# Altium PCB MB1635.PcbDoc (part 6 of 10)
Units mm, origin at the board's own origin, x right, y up, seen from the top; angles counter-clockwise.
Board outline 127 x 97 mm, 6 copper layers (Top Layer, Signal Layer 1, Signal Layer 2, Signal Layer 3, Signal Layer 4, Bottom Layer), stack 1.557 mm thick; 593 components, 478 nets, 2435 pads, 1743 vias.
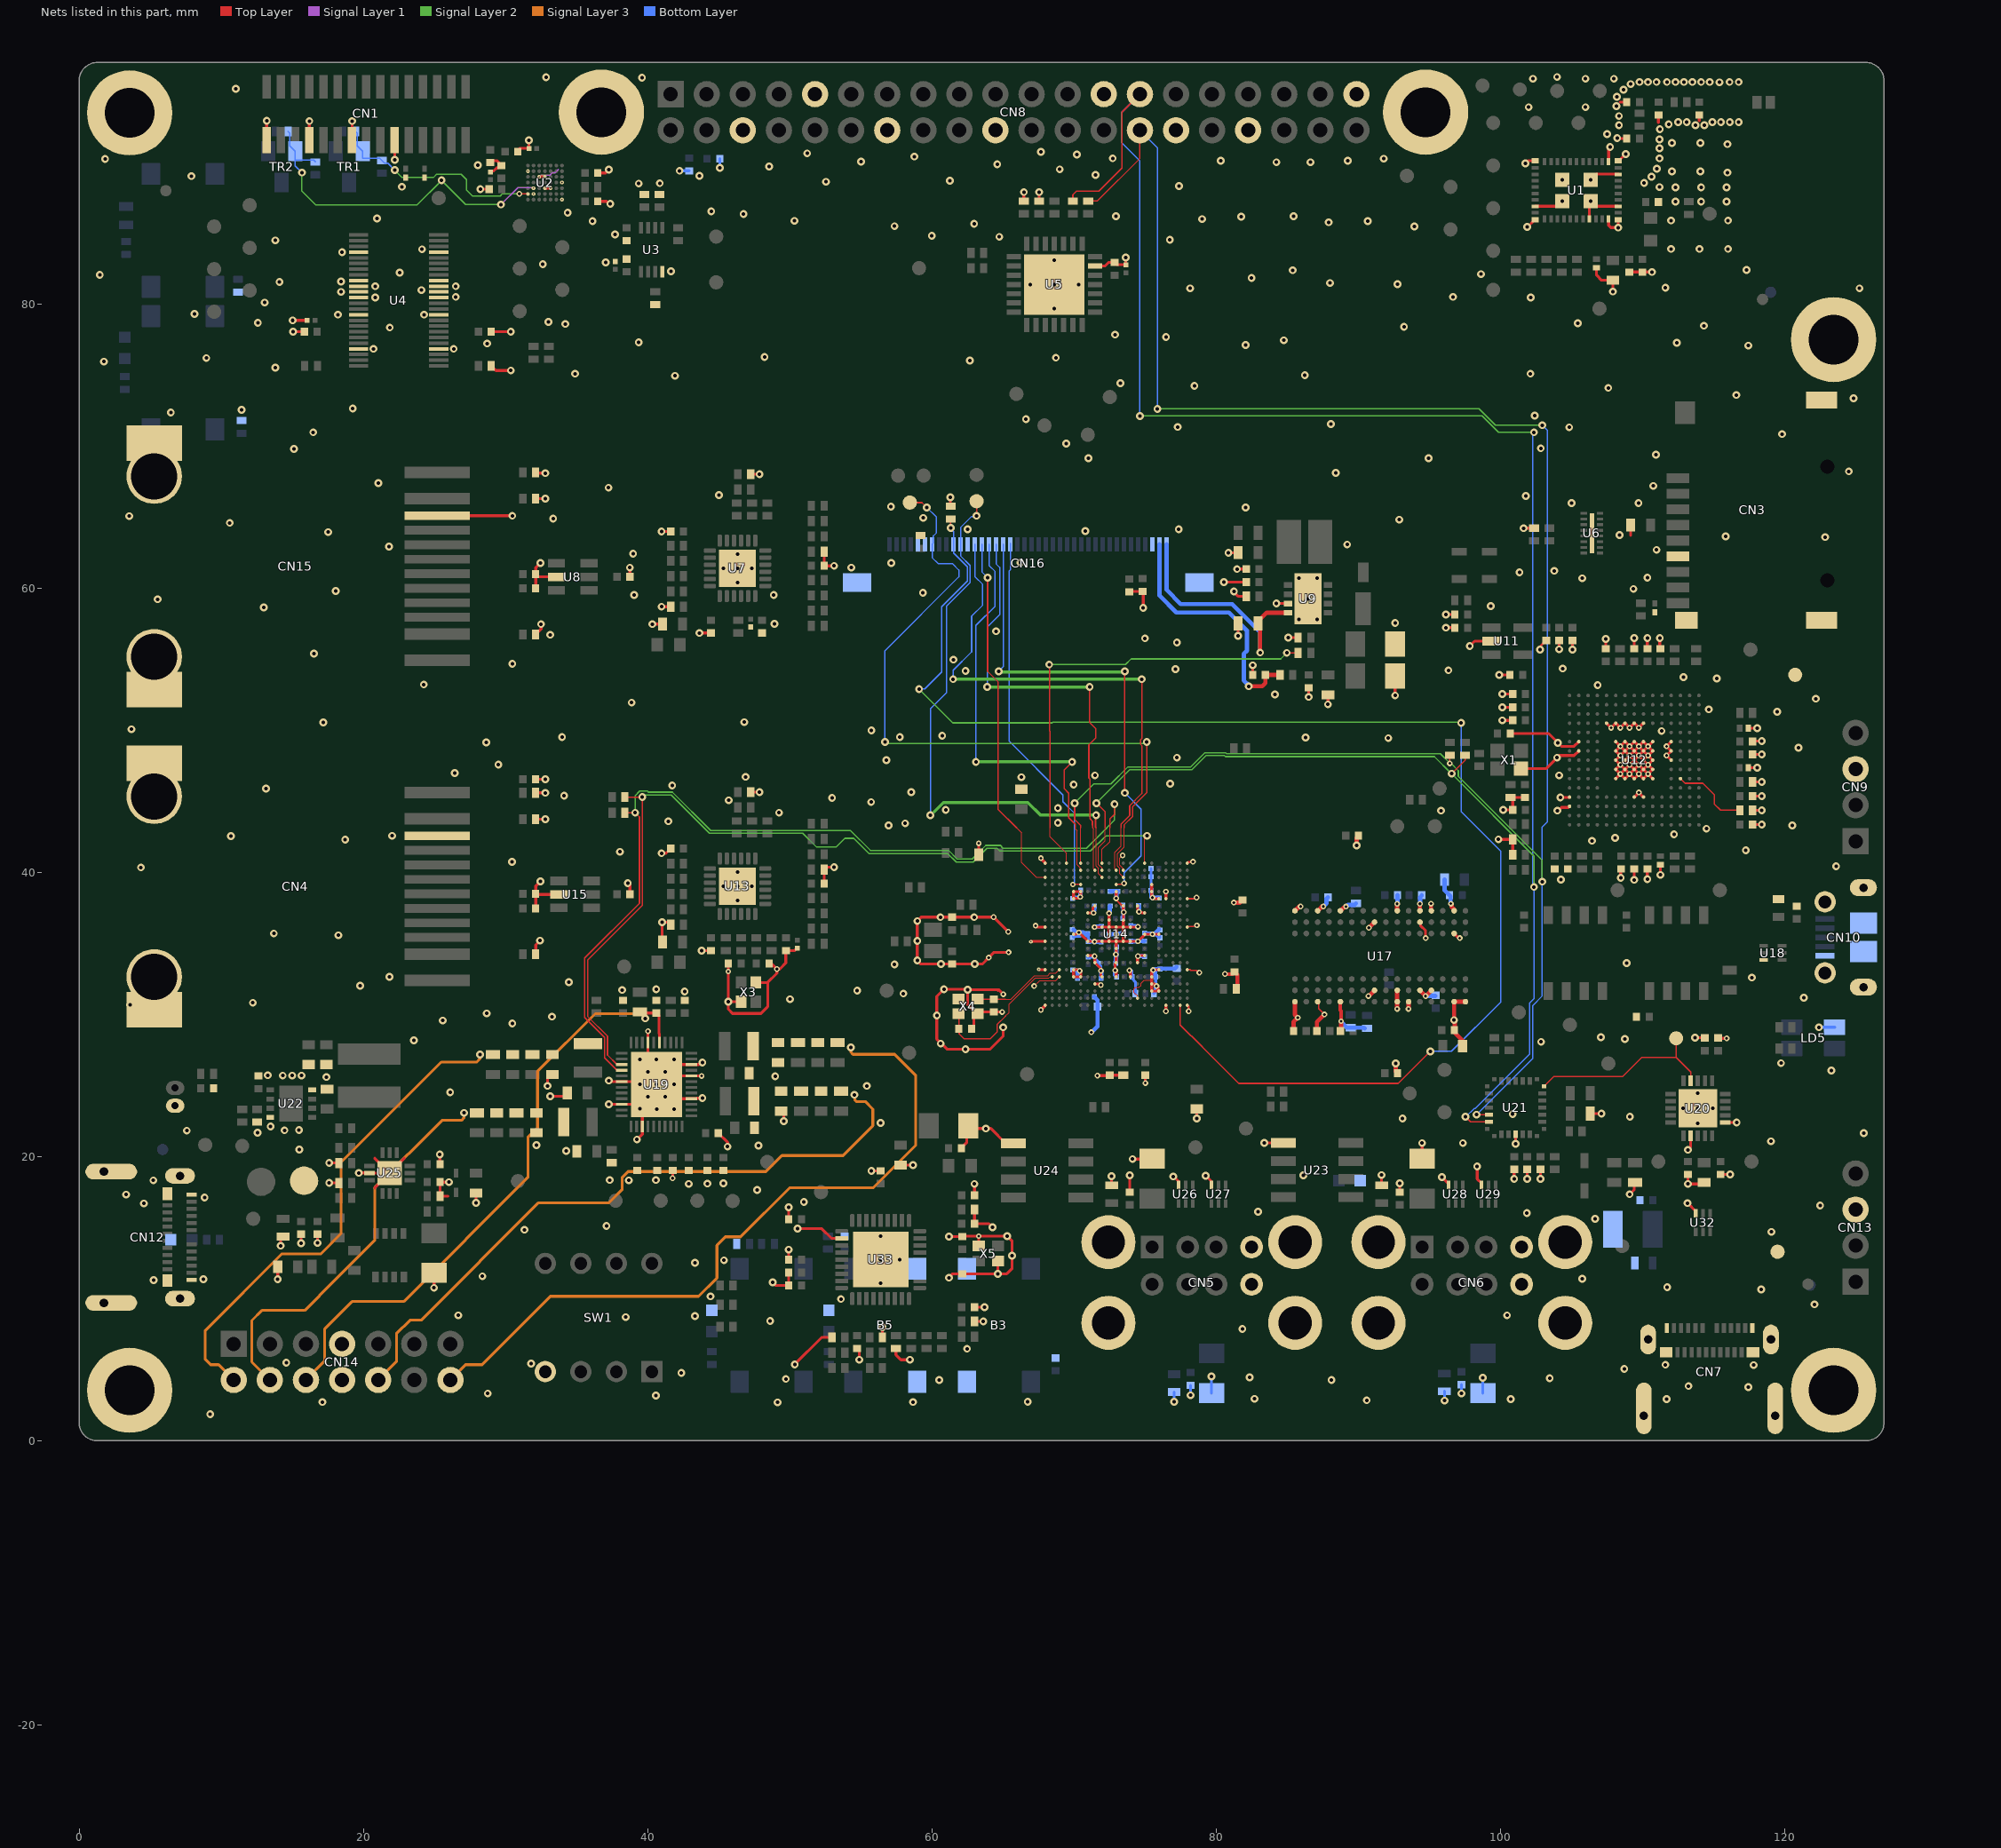
[diagram p10: the nets of this part, all layers, seen from the top]

## Via types
v1: diameter 0.55, hole 0.25, Top Layer to Bottom Layer, 1438 vias
v2: diameter 0.4, hole 0.2, Top Layer to Bottom Layer, 276 vias
v3: diameter 0.26, hole 0.1, Top Layer to Signal Layer 1, tented both sides, 29 vias

## Nets (pads, with @x,y where several pads share a name; then routed paths per layer and width w, separated by ;. In a path a pad name is that pad's centre, name@x,y a point inside that pad or via, vN(x,y) a via of type N, cw(c..) or ccw(c..) an arc to the next point about the centre after c; other vN are vias at no path point) (continued)
GND: B3.1 B3.2 B5.3 B5.4 C1.1 C2.1 C3.1 C4.1 C5.1 C6.1 C7.2 C8.1 C9.1 C10.1 C11.1 C12.1 C13.1 C14.1 C15.1 C16.1 C17.1 C18.1 C19.1 C20.1 C21.1 C22.1 C23.1 C24.1 C25.1 C26.1 C27.1 C28.1 C29.2 C30.1 C31.1 C32.1 C33.2 C34.1 C35.1 C36.2 C37.1 C38.1 C39.2 C40.1 C41.1 C42.1 C43.1 C44.1 C45.1 C46.1 C47.1 C48.1 C49.1 C50.2 C51.1 C52.1 C53.1 C54.1 C55.1 C56.1 C57.1 C58.1 C59.1 C60.1 C61.1 C62.1 C63.1 C64.1 C65.1 C66.1 C67.1 C68.1 C69.1 C70.1 C71.1 C72.1 C73.1 C74.1 C75.1 C76.1 C77.1 C78.1 C79.1 C80.1 C81.2 C82.1 C83.1 C84.1 C85.1 C88.2 C89.1 C90.1 C91.2 C92.1 C93.2 C94.1 C95.1 C96.1 C98.1 C99.2 C100.1 C101.1 C102.1 C103.2 C104.1 C105.1 C106.1 C107.2 C108.1 C109.1 C110.1 C112.1 C113.1 C114.1 C116.1 C117.1 C118.2 C119.1 C120.1 C121.1 C122.1 C123.1 C124.1 C125.1 C126.1 C129.1 C130.1 C131.1 C132.1 C133.1 C134.1 C135.1 C136.1 C137.1 C138.1 C139.1 C140.1 C141.1 C142.1 C143.1 C144.1 C145.1 C146.1 C147.1 C148.1 C149.1 C150.1 C151.1 C152.1 C153.1 C154.1 C155.2 C156.1 C157.1 C158.1 C159.1 C160.2 C161.1 C162.2 C163.1 C164.1 C165.1 C166.1 C168.1 C169.1 C170.1 C171.1 C172.1 C173.1 C174.1 C175.1 C176.1 C177.2 C178.1 C179.1 C180.2 C181.1 C182.1 C183.1 C184.1 C185.2 C186.1 C187.1 C188.1 C189.1 C190.1 C191.2 C192.1 C193.1 C194.1 C195.2 C196.1 C197.1 C198.1 C199.1 C200.1 C201.1 C202.1 C203.2 C204.2 C205.1 C206.1 C207.2 C208.1 C209.1 C210.2 C211.1 C212.1 C213.1 C214.2 C215.2 C216.2 C217.2 C218.1 C219.2 C220.1 C221.1 C222.1 C223.1 C224.1 C225.1 C226.1 C227.1 C228.1 C229.1 CN1.1 CN1.4 CN1.7 CN1.10 CN3.6 CN3.10 CN3.11 CN3.12 CN4.10 CN4.13 CN4.14 CN5.B4 CN5.CH1 CN5.CH2 CN5.CH3 CN5.CH4 CN5.T4 CN6.B4 CN6.CH1 CN6.CH2 CN6.CH3 CN6.CH4 CN6.T4 CN7.A1 CN7.A12 CN7.B1 CN7.B12 CN7.SH1 CN7.SH2 CN7.SH3 CN7.SH4 CN8.6 CN8.9 CN8.14 CN8.20 CN8.25 CN8.30 CN8.34 CN8.39 CN9.3 CN10.5 CN10.6 CN10.7 CN10.8 CN10.9 CN10.10 CN10.11 CN11.2 CN12.A1 CN12.A12 CN12.B1 CN12.B12 CN12.SH1 CN12.SH2 CN12.SH3 CN12.SH4 CN13.3 CN14.7 CN14.8 CN15.10 CN15.13 CN15.14 CN16.3 CN16.29 CN16.35 CN16.36 CN16.MT1 CN16.MT2 LD1.2 LD2.2 LD5.4 LD6.2 LD7.2 pad.1 R3.2 R4.2 R7.1 R8.1 R13.1 R23.2 R24.1 R25.2 R27.1 R33.1 R38.2 R44.1 R47.2 R49.1 R52.1 R53.1 R58.2 R59.1 R66.1 R68.2 R69.2 R70.1 R74.1 R76.1 R84.1 R87.1 R93.2 R101.2 R110.1 R112.1 R128.2 R134.1 R136.1 R140.1 R143.1 R145.1 R146.1 R147.1 R148.1 R156.1 R158.1 R159.1 R160.1 R173.2 R175.2 R176.1 R178.1 R179.1 R182.2 SW1.4 TP39.1 TP75.1 TP76.1 U1.1 U1.12 U1.19 U1.21 U1.29 U1.32 U1.33 U1.35 U1.40 U1.42 U1.43 U1.44 U1.45 U1.46 U2.A4 U2.A7 U2.C5 U2.D3 U2.D5 U2.E3 U2.F6 U2.G2 U3.4 U4.4 U4.9 U4.10 U4.11 U4.12 U4.15 U4.21 U4.28 U4.34 U4.37 U4.38 U4.39 U4.40 U4.45 U5.6 U5.29 U6.EP U7.EP U8.2 U9.3 U9.9 U10.2 U11.2 U12.D5 U12.D6 U12.D7 U12.D8 U12.D9 U12.F2 U12.F6 U12.F7 U12.F8 U12.F9 U12.F10 U12.F12 U12.G2 U12.G6 U12.G7 U12.G8 U12.G9 U12.G10 U12.G12 U12.H6 U12.H7 U12.H8 U12.H9 U12.H10 U12.H12 U12.J6 U12.J7 U12.J8 U12.J9 U12.J10 U12.K6 U12.K7 U12.K8 U12.K9 U12.K10 U12.M1 U12.M8 U12.M9 U12.N1 U13.EP U14.A1 U14.A21 U14.AA1 U14.AA18 U14.AA21 U14.B12 U14.D16 U14.E5 U14.E6 U14.E11 U14.E16 U14.F5 U14.F17 U14.F18 U14.F21 U14.G8 U14.G12 U14.G14 U14.H7 U14.H15 U14.J10 U14.J12 U14.K1 U14.K9 U14.K10 U14.K11 U14.K12 U14.K13 U14.K21 U14.L5 U14.L10 U14.L12 U14.L15 U14.L17 U14.M1 U14.M7 U14.M9 U14.M10 U14.M11 U14.M12 U14.M13 U14.N11 U14.P7 U14.P15 U14.R8 U14.R11 U14.R14 U14.T1 U14.T5 U14.T17 U14.T21 U14.U3 U14.U5 U14.U6 U14.U9 U14.U11 U14.U13 U14.U16 U14.V8 U14.V16 U14.W16 U14.W17 U14.Y14 U15.2 U16.2 U17.A9 U17.B1 U17.B3 U17.B9 U17.D1 U17.D8 U17.E1 U17.E2 U17.E8 U17.F9 U17.G1 U17.G8 U17.G9 U17.J2 U17.J8 U17.M1 U17.M9 U17.P1 U17.P9 U17.T1 U17.T9 U18.3 U19.6 U19.10 U19.15 U19.26 U19.30 U19.32 U19.41 U19.ep U20.12 U20.16 U20.21 U21.4 U22.4 U22.8 U23.1 U24.1 U25.2 U25.13 U26.3 U27.3 U28.3 U29.3 U30.2 U31.2 U32.3 U33.11 U33.37 U34.2 U36.2 U37.2 U38.2 U39.2 U40.2 U41.2 X1.2 X3.2 X3.4 X4.2 X4.4 X5.2 X5.4 | length 429.6
  Top Layer w0.075: v2(67.2,32) 67.597,32.397 68.722,32.397 U14.U3@68.975,32.65 ; v2(73.425,41.2) 73.228,41.003 73.228,40.522 73.452,40.298 73.452,40.173 U14.B12@73.469,40.156 ; U14.Y14@74.475,31.15 74.464,31.161 74.464,31.312 74.228,31.548 74.228,31.803 74.328,31.903 74.576,31.903 74.722,32.049 74.722,32.189 74.933,32.4 75.475,32.4
  Top Layer w0.09: U14.T21@77.974,33.15 78.156,33.15 78.216,33.09 78.617,33.09 78.757,32.95 v2(78.825,32.95) ; C94.1@81.15,32.85 C94.1@81.3,33 ; U17.P9@87.15,30.9 87.22,30.83 87.22,30.405 v2(87.625,30) ; v2(90.725,31.3) v2@90.75,31.3
  Top Layer w0.1: U14.K21@77.974,36.15 77.98,36.145 78.035,36.2 78.491,36.2 78.566,36.275 v2(78.65,36.275)
  Top Layer w0.12: U17.T1@85.47,37.37 U17.T1@85.545,37.295 ; U17.M1@88.745,37.295 U17.M1@88.745,37.395 ; v2@92.745,30.305 v2(92.745,30.395) ; U17.E8@94.345,31.695 U17.E8@94.365,31.695
  Top Layer w0.15: v2(72.975,38.175) 72.975,38.074 U14.G12@73.393,37.656 ; U14.AA21@77.974,30.65 78.075,30.55 v2(78.075,30.225) ; U14.F21@77.975,38.15 78.482,38.15 78.557,38.225 v2(78.625,38.225)
  Top Layer w0.175: v2@74.475,33.989 v2@74.636,34.15 ; U14.A21@77.953,40.652 77.992,40.652 78.068,40.729 78.354,40.729 v2(78.375,40.75)
  Top Layer w0.2: CN1.1@13.2,91.525 v1(13.2,92.9) ; U22.4@13.45,22.75 U22.4@13.46,22.74 ; v1@13.46,22.256 13.475,22.241 v1(13.475,22.125) ; v1(13.975,11.375) C166.1@13.975,12.25 ; v1(14.175,13.725) 14.175,14.184 14.17,14.189 U34.2@14.345,14.364 ; v1(15.025,78.85) C24.1@16.05,78.85 ; v1(15.05,78.05) C25.1@15.85,78.05 ; C161.1@15.62,14.539 15.625,14.534 v1(15.625,13.9) ; CN1.4@16.2,91.5 CN1.4@16.2,91.525 v1(16.2,92.875) ; v1(16.77,13.918) C160.2@16.77,14.493 ; v1(17.6,18.15) 18.259,18.15 R147.1@18.27,18.139 ; v1(17.6,19.55) 18.259,19.55 R145.1@18.27,19.539 ; CN1.7@19.2,91.5 CN1.7@19.2,91.525 v1(19.2,92.875) ; v1(19.675,18.85) 20.409,18.85 U25.2@20.42,18.839 U25.13@21.841,18.839 ; 20.795,17.792 U25.13@21.841,18.839 ; 20.795,19.889 U25.13@21.843,18.841 ; U25.13@21.845,18.842 U25.13@21.843,18.841 ; v1(22.2,90.15) CN1.10@22.2,91.5 ; 22.891,19.889 U25.13@21.841,18.839 ; v1(24.97,10.764) C162.2@24.97,11.814 ; CN15.10@25.2,65.1 v1(30.475,65.1) ; v1(25.375,20.15) 25.375,19.484 C151.1@25.395,19.464 ; C156.1@25.395,18.214 25.409,18.2 v1(26.025,18.2) ; C156.1@25.4,18.175 25.395,18.175 R148.1@25.395,17.214 25.945,17.214 ; C155.2@27.92,17.439 27.925,17.434 v1(27.925,16.75) ; v1(28.225,88.075) C12.1@28.85,88.075 ; C117.1@28.925,89.95 29.062,90.087 29.388,90.087 29.7,89.775 29.52,89.595 29.423,89.595 29.403,89.575 29.384,89.575 29.179,89.37 29.025,89.37 C10.1@28.95,89.295 ; R23.2@29,75.65 29.325,75.325 v1(30.375,75.325) ; C26.1@29,78.05 29.004,78.054 v1(30.376,78.054) ; C6.1@30.875,90.825 31,90.95 C5.1@31.65,90.95 v1(31.65,91.525) ; R110.1@32.125,34.25 32.125,34.9 v1(32.425,35.2) ; C85.1@32.125,37.475 32.125,38.4 C80.1@32.175,38.45 ; R76.1@32.125,43.75 v1(32.8,43.75) ; R70.1@32.125,45.6 v1(32.8,45.6) ; C229.1@32.125,46.55 v1(32.8,46.55) ; R52.1@32.125,56.75 32.5,57.125 v1(32.5,57.475) ; C35.1@32.125,60 C32.1@32.125,61 ; R27.1@32.125,66.3 v1(32.8,66.3) ; R24.1@32.125,68.15 32.175,68.1 v1(32.8,68.1) ; v3(32.375,88.95) U2.D3@32.775,88.95 ; v1(32.45,39.375) 32.125,39.05 C80.1@32.125,38.5 C80.1@32.175,38.45 ; v1(32.45,61.775) 32.125,61.45 C32.1@32.125,61 ; U2.D5@32.775,88.15 v3(33.175,88.15) ; v1(32.95,24.975) 32.95,25.725 33,25.775 C116.1@33.3,25.775 ; v1(33.15,24.25) 34.125,24.25 C125.1@34.35,24.475 ; U8.2@33.575,60.8 32.325,60.8 C32.1@32.125,61 ; U15.2@33.75,38.45 C80.1@32.175,38.45 ; C14.1@36.5,87.225 37.105,87.225 37.28,87.05 v1(37.375,87.05) ; C11.1@36.5,89.225 37.05,89.225 v1(37.275,89.45) ; v1(37.275,23.675) U19.10@38.175,23.675 39.225,23.675 U19.ep@39.625,24.075 ; v1(37.277,25.351) 37.371,25.351 37.448,25.275 U19.6@38.175,25.275 U19.ep@40.425,25.275 ; v1(38.6,39.25) 38.75,39.1 C81.2@38.75,38.45 ; C33.2@38.75,60.8 v1(38.75,61.45) ; v1(39.25,21.2) 39.625,21.575 U19.15@39.625,22.125 U19.ep@39.625,24.075 ; v2(40.025,28.825) U19.41@40.025,28.025 40.025,25.675 U19.ep@40.425,25.275 ; v1(40.325,57.475) C39.2@41.05,57.475 ; v1(40.975,41.35) 41.3,41.35 C71.1@41.625,41.675 ; v1(40.975,58.7) R47.2@41.625,58.7 ; v1(40.975,64) C28.1@41.625,64 ; C91.2@41.05,35.1 41.125,35.175 41.025,35.275 v1(41.025,36.5) 41.45,36.5 R101.2@41.625,36.325 ; v2(41.752,18.476) 41.763,18.487 41.763,19.013 C143.1@41.775,19.025 ; v1(43.65,56.85) C37.1@44.45,56.85 ; v2(43.8,25.675) U19.30@43.075,25.675 42.775,25.675 42.774,25.674 U19.ep@41.224,25.674 ; v1(43.8,34.5) C89.1@44.45,34.5 ; v1(43.852,24.126) 43.829,24.103 43.462,24.103 43.434,24.075 U19.26@43.075,24.075 41.625,24.075 v1(40.625,25.075) ; v1(43.852,26.626) 43.757,26.626 43.606,26.475 U19.32@43.075,26.475 42.025,26.475 U19.ep@41.224,25.674 ; C132.1@44.975,21.65 45.625,21 v1(45.625,20.7) ; C95.1@45.675,33.6 v2(45.675,33.025) v1(45.675,30.9) ; X3.4@46.575,30.9 v1(45.675,30.9) ; R69.2@47.25,45.65 v1(47.875,45.65) ; R25.2@47.25,68.025 v1(47.875,68.025) ; X3.2@47.625,32.25 48.45,32.25 ; C96.1@48.55,33.6 48.7,33.6 v2(49.1,33.2) ; v1(48.8,11.15) 49.025,10.925 C168.1@49.925,10.925 C165.1@49.925,11.85 ; C126.1@49.4,23.2 49.577,23.023 v1(49.577,22.501) ; C163.1@49.925,12.75 v1(49.925,13.45) ; C157.1@49.925,15.6 v1(49.925,16.425) ; v1(50.35,5.375) 52.25,7.275 R158.1@52.975,7.275 ; C92.1@50.525,34.675 50.35,34.5 C90.1@49.725,34.5 49.725,33.625 49.3,33.2 v2(49.1,33.2) ; v1(50.55,14.925) 52.25,14.925 52.925,14.25 U33.11@53.65,14.25 ; C79.1@52.425,39.2 R93.2@52.425,40.2 52.6,40.375 v1(53.125,40.375) ; R38.2@52.425,62.575 C30.1@52.425,61.575 v1(53.125,61.575) ; C170.1@54.75,6.5 54.9,6.35 v1(54.9,5.7) ; v1(55.75,19) C150.1@56.4,19 ; R159.1@56.525,7.275 v1(56.525,8) ; R160.1@57.475,6.5 57.475,6.05 57.825,5.7 v1(58.45,5.7) ; C133.1@57.8,19.4 v1(58.675,19.4) ; v1(60.625,27.95) 60.7,27.95 61.1,27.55 v1(62.375,27.55) 64.081,27.55 65.025,28.494 v1(65.025,29.1) ; v1@60.646,27.971 60.35,28.268 v1(60.35,29.925) 60.35,30.02 60.35,31.275 v1(60.85,31.775) 62.525,31.775 62.528,31.772 v1(62.528,31.752) ; v1(61.2,11.475) 61.475,11.75 C164.1@62.15,11.75 v1(64.65,11.75) ; v1(61.2,14.375) C159.1@62.15,14.375 62.175,14.4 v2(63.3,14.4) ; v1(61.3,66.4) 61.3,65.85 61.35,65.8 R59.1@61.325,65.775 ; C135.1@62.075,20.6 62.45,20.975 62.45,22.05 C130.1@62.575,22.175 62.775,21.975 v1(63.8,21.975) 64.15,21.975 65.195,20.93 U24.1@65.725,20.93 ; C103.2@62.8,29 62.95,29.15 62.95,29.825 X4.2@63.2,30.075 ; R156.1@63,8.4 v1(63.625,8.4) ; C169.1@63,9.4 v1(63.7,9.4) ; R146.1@63,16.275 C158.1@63,15.275 64.025,15.275 v1(64.275,15.025) ; C154.1@63,17.275 v1(63,18.075) ; X5.2@63.3,13.7 v2(63.3,14.4) ; C72.1@63.3,41.25 v2@63.3,41.975 ; X5.4@64.65,12.65 v1(64.65,11.75) ; v2(64.95,30.175) C98.1@64.375,30.175 63.3,30.175 X4.2@63.2,30.075 ; v2(65.025,31.425) 64.7,31.75 64.65,31.7 64.598,31.752 v1(62.528,31.752) ; v2(65.375,35.825) v2(64.35,36.85) v1(62.975,36.85) C88.2@61.425,36.85 v1(60.6,36.85) 59.25,36.85 v1(58.975,36.575) v1(58.975,35.188) v1(58.975,33.8) 59.225,33.55 v1(60.65,33.55) C93.2@61.425,33.55 v1(63.025,33.55) 63.55,33.55 v2(64,34) 64.375,34.375 v2(65.4,34.375) ; R7.1@66.475,87.25 v1(66.475,87.875) ; v3@66.975,35.15 U14.M1@67.975,35.15 ; v2(67.3,36.25) 67.4,36.15 U14.K1@67.975,36.15 ; R8.1@67.55,87.25 v1(67.55,87.875) ; v3@67.558,33.15 U14.T1@67.975,33.15 ; U14.L5@69.975,35.65 69.981,35.656 70.177,35.656 70.296,35.775 v2(70.35,35.775) 70.65,35.475 70.666,35.475 70.9,35.241 70.9,35.233 70.975,35.158 U14.M7@70.975,35.15 71.425,35.15 v2(71.45,35.125) 71.475,35.15 U14.M10@72.475,35.15 ; v2@70.425,38.275 70.431,38.269 v2@70.436,38.269 ; U14.E6@70.475,38.65 U14.E6@70.475,38.644 ; U14.P7@70.975,34.15 71.296,34.15 71.346,34.1 v2@71.438,34.1 ; U14.H7@70.975,37.15 70.977,37.152 71.373,37.152 v2(71.375,37.15) 71.375,37.204 71.329,37.251 71.329,37.504 U14.G8@71.475,37.65 ; v2@71.419,34.081 v2@71.438,34.1 ; v2(71.45,34.1) v2@71.438,34.1 ; v2@71.451,36.15 U14.K10@72.475,36.15 ; U14.V8@71.475,32.15 71.825,32.15 v2@71.9,32.075 ; v2@71.475,33.971 U14.R8@71.475,33.65 71.862,33.263 71.862,33.113 v2(71.9,33.075) 71.9,32.733 71.975,32.658 U14.U9@71.975,32.65 ; U5.6@71.475,82.675 72.175,82.675 72.425,82.925 C22.1@72.85,82.925 73,82.775 73.625,82.775 C23.1@73.65,82.75 v1(73.65,83.275) ; v2(71.65,25.7) 72.5,25.7 C118.2@72.525,25.725 R128.2@73.475,25.725 ; U14.L10@72.475,35.617 U14.M10@72.475,35.15 U14.M11@72.975,35.15 ; U14.L10@72.475,35.683 U14.K10@72.475,36.15 ; v2(72.475,37.125) U14.K10@72.475,36.15 ; U30.2@72.65,17.975 v1(72.65,18.625) ; v2(72.9,33.1) 72.9,33.567 72.975,33.642 v2@72.975,34.225 ; v2(72.95,34.225) v2@72.975,34.225 ; U14.U11@72.975,32.65 v2@72.975,33.1 ; v2(72.975,38.175) U14.E11@72.975,38.65 ; U14.G12@73.393,37.656 73.469,37.656 U14.G12@73.475,37.65 v2@73.475,37.199 ; v2@73.476,37.2 v2(73.5,37.2) 73.5,37.176 73.48,37.156 73.48,36.655 73.475,36.65 U14.K12@73.475,36.15 ; v2(73.9,33.1) 73.975,33.1 U14.U13@73.975,32.65 ; C50.2@73.905,59.775 74.83,59.775 74.875,59.73 v1(74.875,58.625) ; C152.1@73.925,17.5 v1(73.925,18.675) ; v1(74.125,19.825) C136.1@75.323,19.825 ; U14.R14@74.475,33.65 v2@74.475,33.989 ; U14.G14@74.475,37.65 74.481,37.644 U14.G14@74.481,37.623 ; U14.G14@74.481,37.623 74.481,37.373 74.575,37.279 v2(74.575,37.225) 74.604,37.225 74.654,37.275 74.773,37.156 74.969,37.156 U14.H15@74.975,37.15 ; v2(74.5,36.175) 74.475,36.15 U14.K12@73.475,36.15 ; v2@74.636,34.15 U14.P15@74.975,34.15 ; v2(75.025,25.175) C119.1@75.025,25.725 ; C136.1@75.324,19.826 75.4,19.75 C136.1@75.5,19.85 ; U14.V16@75.45,32.125 75.474,32.101 U14.W16@75.474,31.65 ; U14.V16@75.474,32.15 75.48,32.144 75.686,32.144 v2@75.804,32.027 ; U14.W16@75.474,31.65 75.974,31.65 75.969,31.656 75.969,31.704 75.912,31.761 75.912,31.918 v2@75.804,32.027 ; U14.V16@75.475,32.175 75.475,32.4 75.475,32.971 75.575,33.071 v2(75.575,33.125) ; U14.D16@75.475,39.15 75.475,38.329 75.525,38.279 v2(75.525,38.225) 75.579,38.225 75.654,38.15 U14.F17@75.975,38.15 ; v2@75.538,33.125 75.519,33.144 75.969,33.144 U14.T17@75.975,33.15 ; v2(75.804,32.002) v2@75.804,32.027 ; U14.L17@75.974,35.65 v2(75.525,35.65) U14.L15@74.975,35.65 74.969,35.644 74.969,35.604 74.515,35.15 v2(74.5,35.15) U14.M12@73.475,35.15 ; v2(76.475,30.225) U14.AA18@76.475,30.65 ; U14.F18@76.475,38.15 v2(76.475,38.65) ; v1(76.979,18.601) 77.024,18.601 77.35,18.275 U26.3@77.35,18 ; v1(78.65,22.675) C124.1@78.65,23.35 ; v1(79.275,18.65) 79.675,18.25 U27.3@79.675,18 ; v1(80.55,60.425) C34.1@82.125,60.425 ; v1(80.875,62.5) C29.2@81.55,62.5 ; v1(81.254,59.778) 81.254,59.746 81.575,59.425 R44.1@82.125,59.425 ; v1(81.475,61.35) C31.1@82.125,61.35 ; v1(81.55,56.65) R49.1@81.55,57.525 ; C54.1@82.575,53.9 v1(82.575,54.575) ; v1(83.395,20.955) U23.1@84.725,20.955 ; v1(84.25,58.925) U9.3@85.075,58.925 ; v1(85.075,56.525) R53.1@85.775,56.525 ; v1(86.525,52.35) C56.1@86.525,53 ; v1(87.875,51.825) C52.1@87.875,52.5 ; U31.2@91.65,17.975 v1@91.65,18.65 ; v1(92.6,52.45) C51.1@92.6,53.825 ; C153.1@92.925,17.5 v1(92.925,18.125) ; U17.E2@94.35,36.5 94.388,36.461 94.388,36.254 94.744,35.899 94.744,35.381 v2(94.75,35.375) ; C137.1@94.5,19.85 v1(94.5,20.95) ; v1(95.9,18.55) 96.35,18.1 U28.3@96.35,18 ; v1(96.175,57.225) C41.1@96.8,57.225 ; v1(96.175,58.15) C36.2@96.8,58.15 ; U17.B3@96.78,35.67 97.075,35.375 v2(97.15,35.375) ; v1(97.85,55.925) 98.2,56.275 U11.2@99.375,56.275 ; v1(98.375,19.3) 98.375,18.425 98.675,18.125 U29.3@98.675,18 ; v1(99.875,42.325) R84.1@100.875,42.325 R87.1@100.875,41.25 ; v1(99.925,53.9) C55.1@100.675,53.9 ; v1(100.15,50.7) C59.1@100.875,50.7 ; v1(100.15,51.625) C58.1@100.875,51.625 ; v1(100.15,52.55) C57.1@100.875,52.55 ; v1(100.2,44.4) C68.1@100.875,44.4 100.875,45.125 R68.2@100.725,45.275 C65.1@101.725,45.275 ; C61.1@100.7,49.775 103.4,49.775 v1(104.05,49.125) 104.3,48.875 105.2,48.875 U12.F2@105.525,49.2 ; v1(100.975,18.425) C138.1@100.975,19.1 ; v1(101.075,20.9) U21.4@101.075,21.575 ; X1.2@101.45,47.3 103.225,47.3 104.15,48.225 105.2,48.225 U12.G2@105.525,48.55 ; v1@101.7,64.225 R33.1@102.375,64.225 ; v1(101.775,89.9) 101.962,90.087 U1.12@102.45,90.087 ; v1(101.9,18.425) C139.1@101.9,19.1 ; v1(101.9,85.425) 101.925,85.425 102.413,85.913 U1.21@102.45,85.913 ; U1.19@102.45,86.875 104,86.875 v1(104.375,87.25) ; v1(102.8,55.675) 102.8,55.9 C42.1@103.225,56.325 ; v1(102.825,18.425) C140.1@102.825,19.1 ; v1(104.025,44.35) 104.092,44.35 104.317,44.575 104.786,44.575 104.861,44.65 U12.N1@104.875,44.65 ; v1(104.15,55.7) C43.1@104.15,56.325 ; v1(104.225,45.275) 104.85,45.275 U12.M1@104.875,45.3 ; v1(105.075,55.675) C44.1@105.075,56.325 ; U1.29@106.275,85.975 106.275,87.15 v1(106.375,87.25) 106.75,86.875 U1.35@108.3,86.875 ; R134.1@106.325,23.025 v1(107.125,23.025) ; v1(106.375,88.75) 106.775,89.15 107.378,89.15 107.772,89.15 108.275,89.15 U1.40@108.3,89.125 ; C18.1@106.775,82.55 106.775,82.025 107.125,81.675 C19.1@107.925,81.675 107.925,81.175 ; C46.1@107.425,55.75 v1(107.425,56.425) ; U12.D5@107.475,50.5 v2(107.8,50.175) U12.D6@108.125,50.5 v2(108.45,50.175) U12.D7@108.775,50.5 v2(109.1,50.175) U12.D8@109.425,50.5 v2(109.75,50.175) U12.D9@110.075,50.5 ; U1.32@107.625,85.975 107.625,85.525 107.775,85.375 v1(108.3,85.375) U1.33@108.3,85.913 ; U1.1@107.625,90.025 107.625,90.95 v1(107.725,91.05) ; U12.K6@108.125,46.6 v2(108.45,46.925) ; U12.F6@108.125,49.2 v2(108.45,48.875) ; U1.42@108.3,90.087 108.362,90.087 v1(108.825,90.55) ; 108.425,94.2 C1.1@108.9,94.2 ; v1(108.475,39.625) 108.475,40.225 C76.1@108.5,40.25 ; v1@108.475,91.65 C4.1@108.9,91.65 ; C20.1@109.075,82.25 C21.1@110,82.25 v1(110.675,82.25) ; v1(109.1,17.35) 109.422,17.672 109.422,18.122 R143.1@109.475,18.175 ; 109.175,63.725 C27.1@109.175,64.45 ; v1(109.425,39.475) C77.1@109.425,40.25 ; U12.M8@109.425,45.3 v2(109.75,45.625) U12.M9@110.075,45.3 ; C47.1@109.425,55.75 v1(109.425,56.5) ; v1(110.35,39.525) C78.1@110.35,40.25 ; C48.1@110.35,55.75 v1(110.35,56.5) ; U12.K10@110.725,46.6 v2(110.4,46.925) ; U12.F10@110.725,49.2 v2(110.4,48.875) ; 111.125,92.775 111.125,93.275 C2.1@111.15,93.3 ; v1(111.225,56.5) 111.225,55.8 C49.1@111.275,55.75 ; v1(111.275,39.825) C73.1@111.275,40.55 ; U12.H12@112.025,47.9 v2(111.7,48.225) U12.G12@112.025,48.55 v2(111.7,48.875) U12.F12@112.025,49.2 ; v1(113.175,16.725) 113.75,16.15 U32.3@113.75,16 ; C147.1@113.2,18.75 v1(113.2,18.075) 114.25,18.075 C149.1@114.35,18.175 ; v1(113.2,20.475) 113.4,20.675 U20.12@113.4,21.475 ; v1(113.7,28.375) 114.375,28.375 C108.1@114.4,28.35 ; 114,92.9 C3.1@114,93.3 ; C109.1@115.325,28.35 115.35,28.325 v2(115.925,28.325) ; C148.1@115.5,18.75 v1(116.175,18.75) ; U20.16@115.825,22.4 v1(116.625,22.4) ; C64.1@117.45,47.375 v1(118.075,47.375) ; C60.1@117.45,50.15 v1(118.075,50.15) ; C69.1@117.75,43.375 v1(118.4,43.375) ; R74.1@117.75,44.375 v1(118.4,44.375) ; C67.1@117.75,45.375 v1(118.4,45.375) ; R66.1@117.75,46.375 v1(118.4,46.375) ; C63.1@117.75,48.3 v1(118.4,48.3) ; C62.1@117.75,49.225 117.775,49.25 v1(118.4,49.25) ; U25.13@21.841,18.839 U25.13@21.845,18.839 U25.13@21.843,18.841 ; U25.13@21.841,18.839 U25.13@21.843,18.841 ; U19.ep@39.625,24.075 v1(40.625,25.075) ; U19.ep@40.425,25.275 v1(40.625,25.075) ; v1(40.625,25.075) U19.ep@41.224,25.674 ; v1(45.675,30.9) 45.675,30.375 45.975,30.075 47.975,30.075 48.45,30.55 48.45,32.25 ; 48.45,32.25 49.1,32.9 v2(49.1,33.2) ; v1(62.528,31.752) 62.528,30.672 63.125,30.075 X4.2@63.2,30.075 ; v2(63.3,14.4) v1(65.3,14.4) 65.65,14.05 v1(65.65,13.025) 65.65,12.125 65.275,11.75 v1(64.65,11.75) ; v2@70.436,38.269 v2(70.436,38.274) 70.436,38.318 70.425,38.329 70.475,38.379 U14.E6@70.475,38.644 ; v2@70.436,38.269 70.342,38.175 70,38.175 U14.F5@69.975,38.15 U14.E5@69.975,38.65 69.981,38.644 U14.E6@70.475,38.644 ; U14.K10@72.475,36.15 U14.K11@72.975,36.15 ; v2@72.975,34.225 U14.M11@72.975,35.15 ; U14.M11@72.975,35.15 U14.M12@73.475,35.15 ; U14.M11@72.975,35.15 v2(72.975,35.65) U14.K11@72.975,36.15 ; U14.K11@72.975,36.15 U14.K12@73.475,36.15 ; U14.M12@73.475,35.15 U14.K12@73.475,36.15 ; v2(108.45,46.925) U12.K7@108.775,46.6 v2(109.1,46.925) ; v2(108.45,46.925) U12.J6@108.125,47.25 v2(108.45,47.575) ; v2(108.45,46.925) U12.J7@108.775,47.25 ; v2(108.45,47.575) U12.H7@108.775,47.9 ; v2(108.45,47.575) U12.H6@108.125,47.9 v2(108.45,48.225) ; v2(108.45,47.575) U12.J7@108.775,47.25 ; v2(108.45,48.225) U12.H7@108.775,47.9 ; v2(108.45,48.225) U12.G6@108.125,48.55 v2(108.45,48.875) ; v2(108.45,48.225) U12.G7@108.775,48.55 ; v2(108.45,48.875) U12.F7@108.775,49.2 v2(109.1,48.875) ; v2(108.45,48.875) U12.G7@108.775,48.55 ; U12.J7@108.775,47.25 v2(109.1,47.575) ; U12.J7@108.775,47.25 v2(109.1,46.925) ; U12.H7@108.775,47.9 v2(109.1,47.575) ; U12.H7@108.775,47.9 v2(109.1,48.225) ; U12.G7@108.775,48.55 v2(109.1,48.225) ; U12.G7@108.775,48.55 v2(109.1,48.875) ; v2(109.1,46.925) U12.K8@109.425,46.6 v2(109.75,46.925) ; v2(109.1,46.925) U12.J8@109.425,47.25 ; v2(109.1,47.575) U12.J8@109.425,47.25 ; v2(109.1,47.575) U12.H8@109.425,47.9 ; v2(109.1,48.225) U12.G8@109.425,48.55 ; v2(109.1,48.225) U12.H8@109.425,47.9 ; v2(109.1,48.875) U12.G8@109.425,48.55 ; v2(109.1,48.875) U12.F8@109.425,49.2 v2(109.75,48.875) ; U12.J8@109.425,47.25 v2(109.75,47.575) ; U12.J8@109.425,47.25 v2(109.75,46.925) ; U12.H8@109.425,47.9 v2(109.75,47.575) ; U12.H8@109.425,47.9 v2(109.75,48.225) ; U12.G8@109.425,48.55 v2(109.75,48.875) ; U12.G8@109.425,48.55 v2(109.75,48.225) ; v2(109.75,46.925) U12.K9@110.075,46.6 v2(110.4,46.925) ; v2(109.75,46.925) U12.J9@110.075,47.25 ; v2(109.75,47.575) U12.J9@110.075,47.25 ; v2(109.75,47.575) U12.H9@110.075,47.9 ; v2(109.75,48.225) U12.H9@110.075,47.9 ; v2(109.75,48.225) U12.G9@110.075,48.55 ; v2(109.75,48.875) U12.G9@110.075,48.55 ; v2(109.75,48.875) U12.F9@110.075,49.2 v2(110.4,48.875) ; U12.J9@110.075,47.25 v2(110.4,46.925) ; U12.J9@110.075,47.25 v2(110.4,47.575) ; U12.H9@110.075,47.9 v2(110.4,47.575) ; U12.H9@110.075,47.9 v2(110.4,48.225) ; U12.G9@110.075,48.55 v2(110.4,48.225) ; U12.G9@110.075,48.55 v2(110.4,48.875) ; v2(110.4,46.925) U12.J10@110.725,47.25 v2(110.4,47.575) ; v2(110.4,47.575) U12.H10@110.725,47.9 v2(110.4,48.225) ; v2(110.4,48.225) U12.G10@110.725,48.55 v2(110.4,48.875) ; U14.U5@69.975,32.65 U14.U6@70.475,32.65 70.475,32.658 70.496,32.679 70.496,32.925 70.4,33.021 v2(70.4,33.075) 70.346,33.075 70.271,33.15 U14.T5@69.975,33.15 U14.U5@69.975,32.65